# KiCad board ikafly_rev0a_p_cut.kicad_pcb (continued)
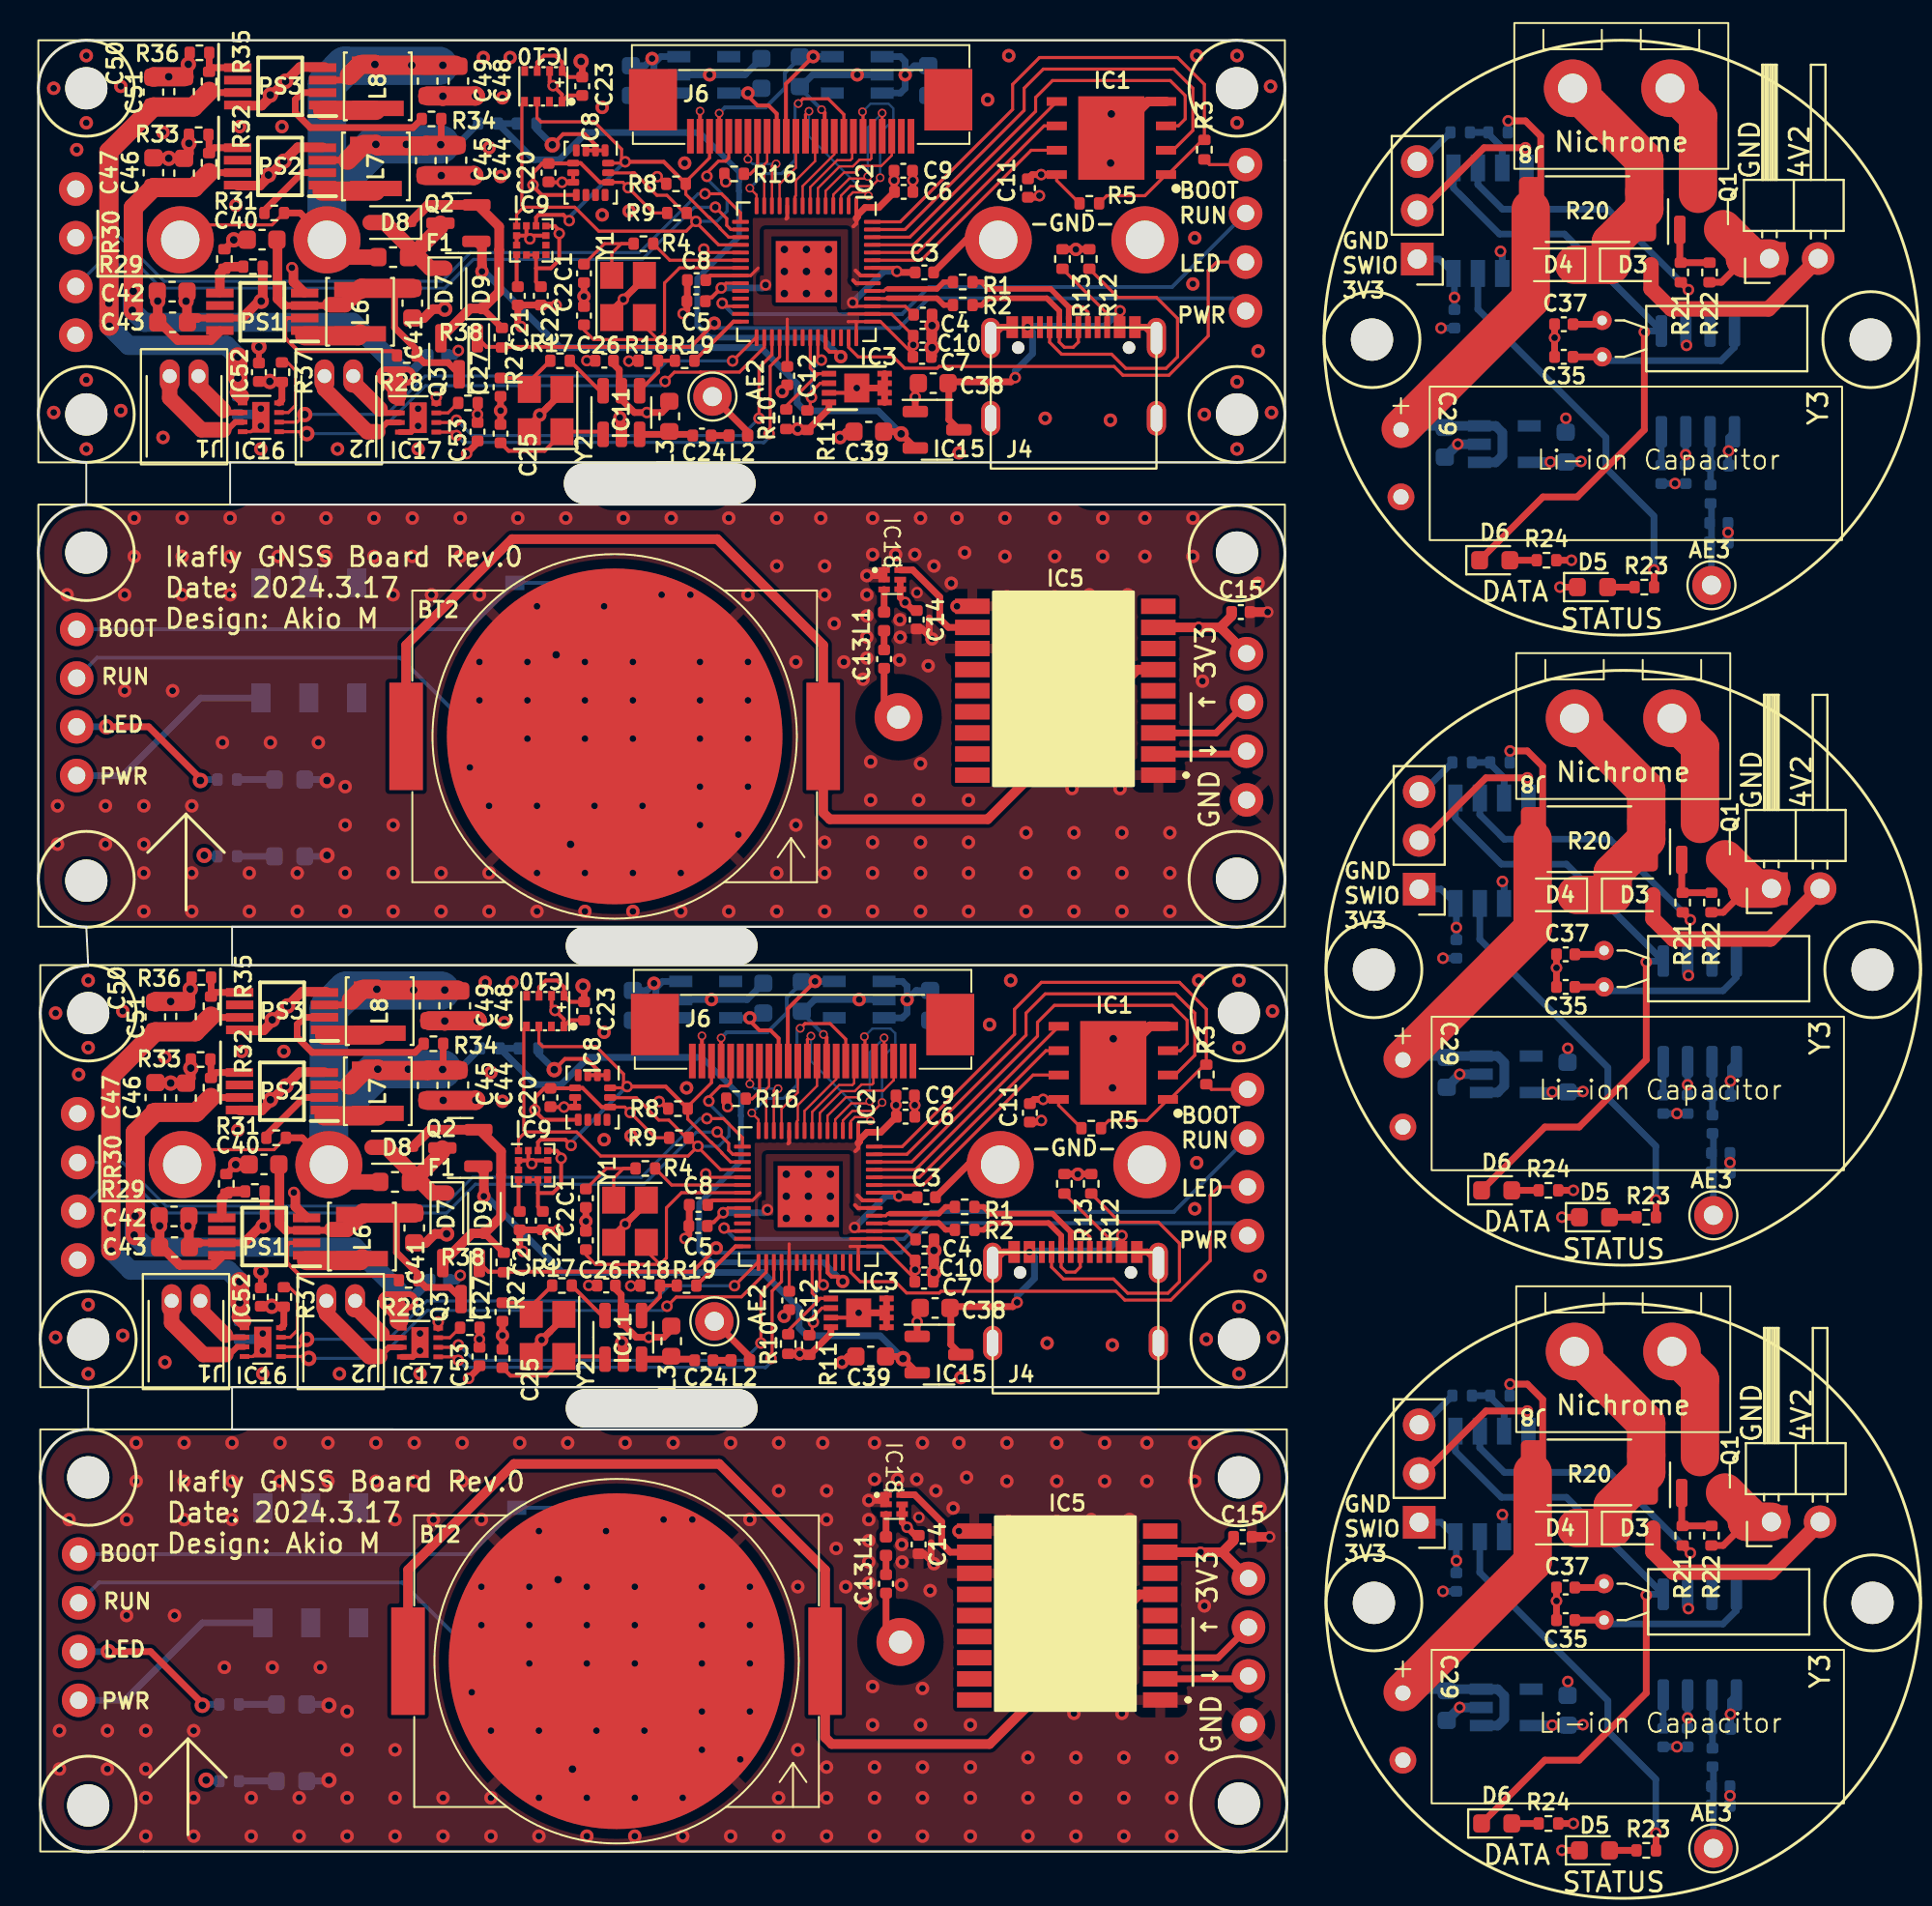
[diagram p0: board, top side]
## Routing (per net, layer and track width the routed paths; a pad name or vN(x,y) marks a point on that pad's centre or on a via; arc(x,y) is an arc through that point) (continued)
/Ikafly_Separation_Board/3V3: length 28
  Top w0.35: R24.1 v3(80.04,1.46) ; R24#2.1 v3(80.04,34.46) ; R24#3.1 v3(79.94,67.3)
  Bottom w0.35: 86,39.45 86,41.15 IC13.3 ; IC13#3.3 85.9,73.99 85.9,72.29 ; C28#2.1 73.94,49.36 IC12.4 73.14,50.16 J9#2.1 ; J9.1 73.04,83 IC12#3.4 73.84,82.2 C28#3.1 ; 86,6.45 86,8.15 IC13#2.3 ; C28.1 73.94,16.36 IC12#2.4 73.14,17.16 J9#3.1
  Bottom w0.5: v3(80.54,6.61) 80.51,6.59 C36#2.1 77.86,6.59 IC14#3.5 ; IC14.5 77.76,72.43 C36.1 80.41,72.43 v3(80.44,72.45) ; IC14#2.5 77.86,39.59 C36#3.1 80.51,39.59 v3(80.54,39.61)
  vias: v3(73.84,81) v3(73.94,48.16) v3(73.94,15.16) v3(78.84,72.43) v3(78.94,39.59) v3(78.94,6.59) v3(85.9,72.8) v3(86,39.96) v3(86,6.96)
/Ikafly_Separation_Board/4V2: length 34.5
  Top w0.8: J7#3.2 92.8,82.99 90.21,80.4 85.14,80.4 84.09,81.45 D3.2 ; J7#2.2 92.91,17.15 90.31,14.56 85.24,14.56 84.19,15.61 D3#2.2 ; D3#3.2 84.19,48.61 85.24,47.56 90.31,47.56 92.91,50.15 J7.2
/VBAT: length 107.9
  Top w0.16: BT1#2.1 8.28,36.58 12.29,36.58 R31.1 ; R31#2.1 12.19,84.78 8.18,84.78 BT1.1
  Top w0.35: R34.1 21.01,88.94 ; PS3#2.3 16.08,92.33 ; 16.14,88.15 PS2.3 ; 16.24,39.95 PS2#2.3 ; R31#2.1 13.65,85.4 BT1.1 ; PS3.3 16.18,44.13 ; R31.1 13.75,37.2 BT1#2.1 ; R34#2.1 21.11,40.74
  Top w0.8: BT1.1 15.95,83.1 F1.1 ; F1#2.1 16.05,34.9 BT1#2.1
  Top w1: 16.32,44.37 16.88,44.93 ; 16.91,93.15 17.55,93.15 ; 17.06,40.78 v2(17.7,40.78) 17.77,40.7 C45#2.1 20.32,40.73 21.9,40.73 ; 16.22,92.57 16.77,93.13 ; 16.96,88.98 v2(17.6,88.98) 17.67,88.9 C45.1 20.22,88.93 C44.1 ; 16.13,88.15 16.83,88.86 ; 17.01,44.95 17.65,44.95 ; 21.85,44.9 17.7,44.9 ; 21.75,93.1 17.6,93.1 ; 16.23,39.95 16.94,40.66
  Top w2: BT1#2.1 15.15,35.29 ; BT1.1 15.05,83.49
  Bottom w0.35: 21.06,40.78 21.95,40.78 R6#2.1 ; R6.1 21.85,88.98 20.96,88.98
  Bottom w2: 21.06,40.78 v2(17.7,40.78) 15.15,38.23 BT1#2.1 15.15,43.94 16.08,44.87 20.98,44.87 ; 20.88,93.07 15.98,93.07 15.05,92.14 BT1.1 15.05,86.43 v2(17.6,88.98) 20.96,88.98
  vias: v2(17.55,93.14) v2(17.65,44.94) v2(19.19,88.98) v2(19.29,40.78) v2(19.47,93.1) v2(19.57,44.9) v2(20.98,88.96) v2(21.09,93.1) v2(21.08,40.76) v2(21.19,44.9)
GND: length 317.7
  Top w0.16: v3(34.8,35.32) 34.98,35.14 IC2#2.19 ; IC16#2.4 11.19,25.8 11.7,26.32 IC16#2.9 ; IC2.19 34.88,83.34 v3(34.7,83.52) ; IC16.9 11.6,74.52 11.08,74 IC16.4
  Top w0.2: v2(26.9,40.75) 27.46,41.31 28.59,41.31 29.15,40.75 IC8.2 ; 25.56,36.02 IC9.2 IC9.3 ; 25.56,36.02 25.72,36.02 ; 25.56,36.02 25.55,36.03 IC9.12 ; 25.72,36.02 IC9.9 ; 25.72,36.02 25.73,36.01 v3(25.73,35.85) ; v4(40.84,90.79) 41,90.63 J6#2.15 ; v4(34.5,90.71) J6#2.2 ; IC3#2.7 42.42,76.03 v3(42.67,76.28) ; 13.4,34.31 13.36,34.31 v3(13.32,34.35) ; 25.62,84.22 IC9#2.9 ; 25.62,84.22 25.46,84.22 ; 25.62,84.22 25.63,84.21 v3(25.63,84.05) ; v4(34.6,42.51) J6.2 ; IC9#2.12 25.45,84.23 25.46,84.22 ; C23#2.2 27.72,43.33 IC10#2.1 27.4,43.38 26.76,44.02 IC10#2.7 ; 25.46,84.22 IC9#2.2 IC9#2.3 ; IC8.3 IC8.1 ; C20#2.1 26.62,87 IC8#2.7 IC8#2.6 ; C20.1 26.72,38.8 IC8.7 IC8.6 ; v3(13.22,82.55) 13.26,82.51 13.3,82.51 ; 28.36,91.53 27.62,91.53 IC10.1 27.3,91.58 26.66,92.22 IC10.7 ; J6.15 41.1,42.43 v4(40.94,42.59) ; IC8#2.3 IC8#2.1 ; IC3.7 42.52,27.83 v3(42.77,28.08) ; v2(26.8,88.95) 27.36,89.51 28.49,89.51 29.05,88.95 IC8#2.2
  Top w0.3: IC17#2.9 19.9,26.16 19.52,25.78 IC17#2.4 ; IC17.4 19.42,73.98 19.8,74.36 IC17.9 ; C52.2 v2(11.6,30.22) ; C52#2.2 v2(11.5,78.42)
  Top w0.35: v1(30.42,26.53) 30.5,26.46 IC11#2.2 ; IC15#2.1 v3(45.72,75.8) 45.72,76.4 45.92,76.6 ; R22.2 87.85,15.95 89.09,17.19 ; C9#2.2 45.58,87.12 v3(45.6,87.1) C6#2.2 ; R22#3.2 87.75,81.79 88.99,83.03 ; v1(26.24,26.67) 26.69,27.11 ; 26.69,27.11 27.4,27.83 Y2.2 ; 26.69,27.11 25.7,26.13 Y2.4 ; C1.1 C2#2.1 ; 30.8,32.9 31.7,33.8 Y1.4 ; 30.8,32.9 30.71,32.81 30.71,32.76 ; 30.8,32.9 30,32.1 Y1.2 ; J4#2.S 57.73,79.45 J4#2.12 ; v3(45.91,17.41) 45.9,17.4 45.9,17.4 ; v3(33.72,31.95) 33.92,32.15 C5#2.2 33.94,32.62 C8.2 ; D5.1 v3(79.44,0.06) ; IC3#2.3 43.88,76.28 v3(42.67,76.28) ; C35#3.2 C37#3.2 ; J4#2.1 50.23,79.45 J4#2.S ; R30#2.2 v2(10.29,35.8) 11.02,35.8 ; IC11.2 30.4,74.66 v1(30.32,74.73) ; 46.02,28.4 45.82,28.2 v3(45.82,27.6) IC15.1 ; Y2#2.2 27.3,76.03 26.59,75.31 ; v3(30.89,29.48) 30.91,29.5 R18#2.2 ; v3(28.7,29.51) 28.71,29.5 C26#2.2 ; 46.45,64.3 46.45,63.35 v1(46.6,63.2) 46.08,63.72 C14.2 ; R13.2 54.09,83.51 v1(54.1,83.5) 54.11,83.51 R12#2.2 ; C35#2.2 C37.2 ; 35.74,87.47 35.74,87.13 v3(35.84,87.02) ; 89.09,50.19 87.85,48.95 R22#2.2 ; v1(48,16.7) IC5#2.10 ; v1(41.91,25.5) 42.21,25.8 C39.2 ; C1#2.1 C2.1 ; v1(38.89,27.89) 39.15,28.16 C12#2.2 ; R18.2 30.81,77.7 v3(30.79,77.68) ; BT1#2.2 48.48,35.8 C3#2.2 ; v3(27.1,32.39) 27.09,32.4 C22.2 C21.1 25.1,31.45 v3(25.27,31.28) ; 45.8,65.6 45.8,65.6 v3(45.81,65.61) ; C8#2.2 33.84,80.82 C5.2 33.82,80.35 v3(33.62,80.15) ; Y1#2.4 31.6,82 30.7,81.1 ; 26.59,75.31 25.6,74.33 Y2#2.4 ; 26.59,75.31 v1(26.14,74.87) ; 30.7,81.1 29.9,80.3 Y1#2.2 ; 30.7,81.1 30.61,81.01 30.61,80.96 ; 46.55,16.1 46.55,15.15 v1(46.7,15) 46.18,15.52 C14#2.2 ; C51#2.2 7.89,92.79 R36.2 ; C11.2 52.22,38.02 v3(52.3,38.1) ; C12.2 39.05,76.36 v1(38.79,76.09) ; IC3.1 IC3.4 ; C53#2.2 22.9,73.43 v3(22.33,72.86) ; 35.84,39.27 35.84,38.93 v3(35.94,38.82) ; C35.2 C37#2.2 ; J4.S 50.33,31.25 J4.1 ; v3(22.43,24.66) 23,25.23 C53.2 ; 10.92,84 v2(10.19,84) R30.2 ; C25.2 C27#2.2 ; R12.2 54.21,35.31 v1(54.2,35.3) 54.19,35.31 R13#2.2 ; R36#2.2 7.99,44.59 C51.2 ; v1(43.2,66.5) 43.81,66.5 IC18.1 44.1,66.33 ; IC3#2.1 IC3#2.4 ; v3(28.6,77.71) 28.61,77.7 C26.2 ; J4.12 57.83,31.25 J4.S ; v3(25.17,79.48) 25,79.65 C21#2.1 C22#2.2 26.99,80.6 v3(27,80.59) ; BT1.2 48.38,84 C3.2 ; IC3.3 43.97,28.08 v3(42.77,28.08) ; D5#3.1 v3(79.34,65.9) ; C11#2.2 52.12,86.22 v3(52.2,86.3) ; C25#2.2 C27.2 ; v1(47.9,64.9) IC5.10 ; C6.2 v3(45.7,38.9) 45.68,38.92 C9.2 ; v1(43.3,18.3) 43.91,18.3 IC18#2.1 44.2,18.13 ; D5#2.1 v3(79.44,33.06) ; C39#2.2 42.11,74 v1(41.8,73.7) ; v2(6.32,32.61) 6.32,32.83 ; v2(6.22,80.81) 6.22,81.03
  Top w0.5: C4#2.2 46.6,77.94 C7#2.2 ; R33.2 7.95,40.3 C46#2.2 v2(6.9,40.05) 6.88,40.08 C47#2.2 ; v2(56.05,42.36) IC1#2.9 57.95,43.01 IC1#2.4 ; 10.49,38.63 11.65,38.63 12.1,39.07 v2(12.1,39.18) 12.18,39.18 v2(12.9,39.9) 13.62,40.63 14.91,40.63 ; 13.72,44.8 v2(12.99,44.07) 12.27,43.35 ; 14.81,88.83 13.52,88.83 v2(12.8,88.1) 12.08,87.38 v2(12,87.38) 12,87.27 11.55,86.83 10.39,86.83 ; 13.62,93 v2(12.89,92.27) 12.17,91.55 ; 9.56,31.05 9.09,30.58 7.37,30.58 6.45,31.5 C43#2.2 6.32,33.08 ; C7.2 46.7,29.74 C4.2 ; 10.58,42.8 11.75,42.8 12.19,43.24 ; C41#2.2 20.2,31.73 20.67,32.19 v2(21.29,32.19) ; 13.4,34.31 13.4,33.61 13.96,33.05 13.99,33.05 ; R33#2.2 7.85,88.5 C46.2 v2(6.8,88.25) 6.77,88.28 C47.2 ; 13.3,82.51 13.3,81.81 13.86,81.25 13.89,81.25 ; v2(55.95,90.56) IC1.9 57.85,91.21 IC1.4 ; v2(21.19,80.39) 20.57,80.39 20.1,79.93 19.5,79.93 ; C15.2 v3(64.1,64.6) ; C15#2.2 v3(64.2,16.4) ; 10.48,91 11.65,91 12.09,91.44 ; 13.74,44.81 15.02,44.81 ; 6.22,81.28 C43.2 6.35,79.7 7.27,78.78 8.99,78.78 9.46,79.25 ; 13.64,93.01 14.92,93.01
  Top w1: C49.2 21.19,43.3 ; 21.19,43.3 21.19,43.29 v2(21.19,43.28) ; 21.19,43.3 22.88,43.3 v2(22.89,43.29) ; 21.09,91.5 21.09,91.49 v2(21.09,91.48) ; 21.09,91.5 22.78,91.5 v2(22.79,91.49) ; 21.09,91.5 C49#2.2 ; v2(22.71,87.36) 22.7,87.35 C45.2 ; C51.2 6.12,44.3 C50.2 ; C45#2.2 22.8,39.15 v2(22.81,39.16) ; C51#2.2 6.02,92.5 C50#2.2
  Top w2: 87.95,18.71 89.09,17.57 89.09,17.19 J7#2.1 ; J7.1 89.09,50.19 89.09,50.57 87.95,51.71 ; J7#3.1 88.99,83.03 88.99,83.41 87.85,84.55
  Bottom w0.2: v4(40.94,42.59) 39.8,43.73 ; v4(40.84,90.79) 39.7,91.93
  Bottom w0.35: IC12.2 76.43,50.47 v3(76.34,50.56) ; 39.7,91.93 40.38,92.6 v1(42.7,92.6) IC6#2.2 ; R26#2.2 72.11,88.08 J9.3 ; C28#3.2 v3(73.14,79.4) ; D2#2.1 15,51.87 v2(15.05,51.92) ; L5.2 88.13,73.69 IC13#3.1 ; L4#2.2 88.21,36.4 C30#2.2 ; 38.05,45.25 C19.2 36.95,44.4 IC7#2.2 ; C30#3.2 88.21,3.4 L4.2 ; D1#2.1 15,55.87 v2(15.05,55.82) ; R26#3.2 72.21,22.24 J9#3.3 ; D2.1 15.1,3.67 v2(15.15,3.72) ; J9#2.3 72.21,55.24 R26.2 ; 39.8,43.73 40.47,44.4 v1(42.8,44.4) IC6.2 ; 26.79,88.94 v2(26.8,88.95) 25.97,89.78 R7#2.2 ; C33#2.2 C32#3.2 ; 79.74,8.14 79.74,8.85 v3(79.75,8.86) ; R7.2 26.07,41.58 v2(26.9,40.75) 26.89,40.74 ; v3(76.24,83.4) 76.33,83.31 IC12#3.2 ; v3(79.65,74.7) 79.64,74.69 79.64,73.98 ; v3(86.04,12.66) 86,12.7 IC13#2.6 ; IC13.6 86,45.7 v3(86.04,45.66) ; S1#2.D1 S1#2.C1 ; C33#3.2 C32.2 ; D1.1 15.1,7.67 v2(15.15,7.62) ; S2#2.C1 S2#2.D1 ; C36#3.2 79.74,41.85 v3(79.75,41.86) ; v3(76.34,17.56) 76.43,17.47 IC12#2.2 ; L5#3.2 88.23,40.85 IC13.1 ; C33.2 C32#2.2 ; IC13#2.1 88.23,7.85 L5#2.2 ; L4#3.2 88.11,69.24 C30.2 ; S1.D1 S1.C1 ; IC7.2 36.85,92.6 C19#2.2 37.95,93.45 ; S2.C1 S2.D1 ; IC13#3.6 85.9,78.54 v3(85.94,78.5) ; C28#2.2 v3(73.24,46.56) ; C28.2 v3(73.24,13.56)
  Bottom w0.5: C34#3.2 v3(74.11,40.51) IC14#2.2 ; C55#2.2 21.67,78 v3(21.9,78.23) ; C34.2 v3(74.11,7.51) IC14#3.2 ; C34#2.2 v3(74.01,73.35) IC14.2 ; C55.2 21.77,29.8 v3(22,30.03) ; v3(11.7,27) 11.4,26.7 C54.2 ; v3(11.6,75.2) 11.3,74.9 C54#2.2
  vias: v1(0.8,91.9) v1(0.8,75) v1(0.9,43.7) v1(0.9,26.8) v1(1,54.5) v1(1,52.5) v1(1.1,6.3) v1(1.1,4.3) v1(1.5,65.5) v1(1.6,17.3) v1(2,88.7) v1(2.1,40.5) v1(2.5,93.6) v1(2.5,90.1) v1(2.5,76.7) v1(2.5,73.1) v1(2.6,45.4) v1(2.6,41.9) v1(2.6,28.5) v1(2.6,24.9) v1(3.5,54.5) v1(3.5,52.5) v1(3.6,6.3) v1(3.6,4.3) v1(4.3,92) v1(4.3,75.1) v1(4.4,43.8) v1(4.4,26.9) v1(4.5,65.5) v1(4.5,60.5) v1(4.6,17.3) v1(4.6,12.3) v1(5,69.5) v1(5,67.5) v1(5.1,21.3) v1(5.1,19.3) v1(5.5,54.5) v1(5.5,52.5) v1(5.5,51) v1(5.5,49) v1(5.6,6.3) v1(5.6,4.3) v1(5.6,2.8) v1(5.6,0.8) v1(6.5,89.6) v1(6.5,73.7) v1(6.6,41.4) v1(6.6,25.5) v1(7,60.5) v1(7.1,12.3) v1(7.5,69.5) v1(7.5,67.5) v1(7.5,65.5) v1(7.6,21.3) v1(7.6,19.3) v1(7.6,17.3) v1(8,54.5) v1(8,51) v1(8,49) v1(8.1,6.3) v1(8.1,2.8) v1(8.1,0.8) v1(9.6,57.8) v1(9.7,9.6) v1(10,69.5) v1(10,67.5) v1(10,65.5) v1(10.1,21.3) v1(10.1,19.3) v1(10.1,17.3) v1(10.3,85.8) v1(10.4,37.6) v1(10.5,89.9) v1(10.6,41.7) v1(11,51) v1(11,49) v1(11.1,2.8) v1(11.1,0.8) v1(11.6,73.1) v1(11.7,24.9) v1(12.1,57.8) v1(12.2,9.6) v1(12.5,69.5) v1(12.5,67.5) v1(12.6,21.3) v1(12.6,19.3) v1(12.7,89.9) v1(12.8,41.7) v1(13.5,51) v1(13.5,49) v1(13.6,2.8) v1(13.6,0.8) v1(14.6,57.8) v1(14.7,9.6) v1(15,69.5) v1(15,67.5) v1(15.1,21.3) v1(15.1,19.3) v1(15.6,73.1) v1(15.7,24.9) v1(16,55.5) v1(16,53.5) v1(16,51) v1(16,49) v1(16.1,7.3) v1(16.1,5.3) v1(16.1,2.8) v1(16.1,0.8) v1(17.5,69.5) v1(17.5,67.5) v1(17.6,21.3) v1(17.6,19.3) v1(18.5,65.5) v1(18.5,53.5) v1(18.5,51) v1(18.5,49) v1(18.6,17.3) v1(18.6,5.3) v1(18.6,2.8) v1(18.6,0.8) v1(19.5,69.5) v1(19.5,67.5) v1(19.6,21.3) v1(19.6,19.3) v1(19.8,73.1) v1(19.9,24.9) v1(20.5,65.5) v1(20.6,17.3) v1(21,51) v1(21,49) v1(21.1,2.8) v1(21.1,0.8) v1(22,69.5) v1(22,67.5) v1(22.1,21.3) v1(22.1,19.3) v1(22.5,56.5) v1(22.6,8.3) v1(23,65.5) v1(23,62) v1(23,60) v1(23.1,17.3) v1(23.1,13.8) v1(23.1,11.8) v1(23.2,93.5) v1(23.3,45.3) v1(23.5,88.8) v1(23.5,54.5) v1(23.5,51) v1(23.5,49) v1(23.6,40.6) v1(23.6,6.3) v1(23.6,2.8) v1(23.6,0.8) v1(24.1,87.3) v1(24.1,75.1) v1(24.2,91.4) v1(24.2,39.1) v1(24.2,26.9) v1(24.3,43.2) v1(24.6,93.5) v1(24.7,45.3) v1(25,69.5) v1(25.1,21.3) v1(25.5,62) v1(25.5,60) v1(25.5,58) v1(25.6,13.8) v1(25.6,11.8) v1(25.6,9.8) v1(26,64.9) v1(26,54.5) v1(26,51) v1(26,49) v1(26.1,16.7) v1(26.1,6.3) v1(26.1,2.8) v1(26.1,0.8) v1(27.5,69.5) v1(27.6,21.3) v1(28.45,81.05) v1(28.5,62) v1(28.5,60) v1(28.5,58) v1(28.5,51) v1(28.5,49) v1(28.55,32.85) v1(28.6,13.8) v1(28.6,11.8) v1(28.6,9.8) v1(28.6,2.8) v1(28.6,0.8) v1(29,54.5) v1(29.1,6.3) v1(29.4,90.9) v1(29.4,85.3) v1(29.5,64.9) v1(29.5,42.7) v1(29.5,37.1) v1(29.6,16.7) v1(30.5,69.5) v1(30.6,21.3) v1(30.8,85.5) v1(30.9,37.3) v1(31,62) v1(31,60) v1(31,58) v1(31,51) v1(31,49) v1(31.1,13.8) v1(31.1,11.8) v1(31.1,9.8) v1(31.1,2.8) v1(31.1,0.8) v1(31.5,54.5) v1(31.6,6.3) v1(32.5,65.5) v1(32.6,17.3) v1(33,69.5) v1(33.1,21.3) v1(33.5,51) v1(33.5,49) v1(33.6,2.8) v1(33.6,0.8) v1(33.7,88) v1(33.8,39.8) v1(34,65.5) v1(34.1,17.3) v1(34.5,62) v1(34.5,60) v1(34.5,58) v1(34.5,55.5) v1(34.5,53.5) v1(34.6,13.8) v1(34.6,11.8) v1(34.6,9.8) v1(34.6,7.3) v1(34.6,5.3) v1(35,92.6) v1(35.1,44.4) v1(36,69.5) v1(36,49) v1(36.1,21.3) v1(36.1,0.8) v1(36.5,53) v1(36.6,4.8) v1(37,65.5) v1(37,62) v1(37,60) v1(37,58) v1(37,55.5) v1(37.1,17.3) v1(37.1,13.8) v1(37.1,11.8) v1(37.1,9.8) v1(37.1,7.3) v1(38.5,69.5) v1(38.5,67) v1(38.5,51) v1(38.5,49) v1(38.6,21.3) v1(38.6,18.8) v1(38.6,2.8) v1(38.6,0.8) v1(39.5,62) v1(39.5,53.5) v1(39.6,13.8) v1(39.6,5.3) v1(40.8,69.5) v1(40.9,21.3) v1(41,67) v1(41,65.5) v1(41,52.6) v1(41,51) v1(41,49) v1(41.1,18.8) v1(41.1,17.3) v1(41.1,4.4) v1(41.1,2.8) v1(41.1,0.8) v1(41.5,64) v1(41.6,15.8) v1(42,62) v1(42.1,13.8) v1(43,61.1) v1(43.1,12.9) v1(43.2,65.5) v1(43.2,64.4) v1(43.2,63.3) v1(43.2,62.2) v1(43.3,17.3) v1(43.3,16.2) v1(43.3,15.1) v1(43.3,14) v1(43.4,56.8) v1(43.4,54.8) v1(43.5,69.5) v1(43.5,67.6) v1(43.5,52.6) v1(43.5,51) v1(43.5,49) v1(43.5,8.6) v1(43.5,6.6) v1(43.6,21.3) v1(43.6,19.4) v1(43.6,4.4) v1(43.6,2.8) v1(43.6,0.8) v1(44.7,67.6) v1(44.8,19.4) v1(44.93,64.2) v1(44.94,63.29) v1(44.9,62.1) v1(45.03,16) v1(45.04,15.09) v1(45,13.9) v1(45.7,67.6) v1(45.8,19.4) v1(45.9,54.8) v1(46,69.5) v1(46,56.7) v1(46,52.6) v1(46,51) v1(46,49) v1(46,6.6) v1(46.1,21.3) v1(46.1,8.5) v1(46.1,4.4) v1(46.1,2.8) v1(46.1,0.8) v1(46.4,61.8) v1(46.5,13.6) v1(46.7,67) v1(46.8,18.8) v1(47.6,66.1) v1(47.7,17.9) v1(47.9,69.5) v1(48,72.9) v1(48,21.3) v1(48.1,24.7) v1(48.3,67.7) v1(48.4,19.5) v1(48.5,54.8) v1(48.5,52.6) v1(48.5,51) v1(48.5,49) v1(48.6,6.6) v1(48.6,4.4) v1(48.6,2.8) v1(48.6,0.8) v1(49.5,91.3) v1(49.6,43.1) v1(50.4,69.5) v1(50.4,67.5) v1(50.5,65.4) v1(50.5,63.4) v1(50.5,61.2) v1(50.5,59.2) v1(50.5,57) v1(50.5,21.3) v1(50.5,19.3) v1(50.6,93.6) v1(50.6,17.2) v1(50.6,15.2) v1(50.6,13) v1(50.6,11) v1(50.6,8.8) v1(50.7,45.4) v1(51.5,53.1) v1(51.5,51) v1(51.5,49) v1(51.6,4.9) v1(51.6,2.8) v1(51.6,0.8) v1(52.5,74.7) v1(52.6,26.5) v1(53,69.5) v1(53,67.5) v1(53,65.4) v1(53,63.4) v1(53,61.2) v1(53,59.2) v1(53.1,21.3) v1(53.1,19.3) v1(53.1,17.2) v1(53.1,15.2) v1(53.1,13) v1(53.1,11) v1(53.9,55.4) v1(54,53.1) v1(54,51) v1(54,49) v1(54,7.2) v1(54.1,4.9) v1(54.1,2.8) v1(54.1,0.8) v1(54.8,65.5) v1(54.8,63.4) v1(54.8,61.2) v1(54.9,17.3) v1(54.9,15.2) v1(54.9,13) v1(55.5,69.5) v1(55.5,67.5) v1(55.6,21.3) v1(55.6,19.3) v1(55.9,74.6) v1(56,26.4) v1(56.4,57.6) v1(56.4,55.4) v1(56.5,53.1) v1(56.5,51) v1(56.5,49) v1(56.5,9.4) v1(56.5,7.2) v1(56.6,59.2) v1(56.6,4.9) v1(56.6,2.8) v1(56.6,0.8) v1(56.7,11) v1(56.8,65.5) v1(56.8,63.4) v1(56.9,17.3) v1(56.9,15.2) v1(57.7,69.5) v1(57.7,67.5) v1(57.8,21.3) v1(57.8,19.3) v1(59,53.1) v1(59,51) v1(59,49) v1(59.1,4.9) v1(59.1,2.8) v1(59.1,0.8) v1(60.2,81.7) v1(60.2,69.5) v1(60.2,67.5) v1(60.3,84.1) v1(60.3,33.5) v1(60.3,21.3) v1(60.3,19.3) v1(60.4,93.6) v1(60.4,35.9) v1(60.5,45.4) v1(60.7,61) v1(60.8,74.9) v1(60.8,12.8) v1(60.9,26.7) v1(62.5,93.6) v1(62.5,90.1) v1(62.5,76.6) v1(62.5,73.1) v1(62.6,45.4) v1(62.6,41.9) v1(62.6,28.4) v1(62.6,24.9) v1(63.6,78.2) v1(63.6,66.1) v1(63.7,30) v1(63.7,17.9) v1(64.25,92) v1(64.3,75) v1(64.35,43.8) v1(64.4,26.8) v2(6.8,92.5) v2(6.9,44.3) v2(7.82,93.15) v2(7.85,89.03) v2(7.92,44.95) v2(7.95,40.83) v2(12.09,91.55) v2(12.19,43.35) v2(21.01,87.35) v2(21.11,39.15) v2(27,62.37) v2(27.1,14.17) v2(27.75,52.5) v2(27.85,4.3) v2(38.9,83.5) v2(38.9,82.35) v2(38.9,81.2) v2(39,35.3) v2(39,34.15) v2(39,33) v2(40.05,83.5) v2(40.05,82.35) v2(40.05,81.2) v2(40.15,35.3) v2(40.15,34.15) v2(40.15,33) v2(41.2,83.5) v2(41.2,82.35) v2(41.2,81.2) v2(41.3,35.3) v2(41.3,34.15) v2(41.3,33) v2(46.6,79.53) v2(46.6,78.38) v2(46.7,31.33) v2(46.7,30.18) v2(55.91,88) v2(56.01,39.8) v3(11.6,74.3) v3(11.7,26.1) v3(19.8,75.2) v3(19.8,74.3) v3(19.9,27) v3(19.9,26.1) v3(26.84,92.04) v3(26.94,43.84) v3(27.31,87) v3(27.41,38.8) v3(30.5,80.9) v3(30.6,32.7) v3(79.06,78.9) v3(79.16,46.06) v3(79.16,13.06) v3(85.34,71.3) v3(85.44,38.46) v3(85.44,5.46) v3(88.13,73) v3(88.11,68.75) v3(88.23,40.16) v3(88.21,35.91) v3(88.23,7.16) v3(88.21,2.91)
/Ikafly_Camera/D2: length 20
  Top w0.12: IC2#2.3 41.95,38.1 42.44,38.6 43.55,38.6 v4(44,39.04) ; v4(43.9,87.24) 43.45,86.8 42.34,86.8 41.85,86.3 IC2.3
  Top w0.16: v4(43.07,42.47) 43.1,42.44 J6.19 ; J6#2.19 43,90.64 v4(42.97,90.67)
  Bottom w0.12: v4(44,39.04) 44,41.37 44.68,42.06 44.68,42.65 44.44,42.89 43.49,42.89 v4(43.07,42.47) ; v4(42.97,90.67) 43.39,91.09 44.33,91.09 44.58,90.85 44.58,90.26 43.9,89.57 v4(43.9,87.24)
/Ikafly_Camera/D3: length 15.2
  Top w0.12: v4(43.25,87.3) 43.14,87.19 42.28,87.19 41.45,86.36 IC2.4 ; v4(43.35,39.1) 43.24,38.99 42.38,38.99 41.55,38.16 IC2#2.4
  Top w0.16: v4(44,90.61) J6#2.21 ; v4(44.1,42.41) J6.21
  Bottom w0.12: v4(44,90.61) 43.25,89.86 v4(43.25,87.3) ; v4(44.1,42.41) 43.35,41.66 v4(43.35,39.1)
/Ikafly_Camera/D4: length 12
  Top w0.12: J6#2.22 44.5,88.4 43.96,87.86 42.96,87.86 42.61,87.51 42.01,87.51 41.05,86.55 IC2.5 ; J6.22 44.6,40.2 44.06,39.66 43.06,39.66 42.71,39.31 42.11,39.31 41.15,38.35 IC2#2.5
/Ikafly_Camera/D5: length 11.1
  Top w0.12: J6#2.20 43.44,89.34 43.44,88.24 43.37,88.18 42.82,88.18 42.82,88.17 42.48,87.83 41.79,87.83 40.65,86.69 IC2.6 ; IC2#2.6 40.75,38.49 41.89,39.63 42.58,39.63 42.92,39.97 42.92,39.98 43.47,39.98 43.53,40.04 43.53,41.14 J6.20
/Ikafly_Camera/D6: length 9.9
  Top w0.12: J6#2.18 42.44,89.34 42.44,88.24 42.34,88.15 41.65,88.15 40.25,86.75 IC2.7 ; J6.18 42.53,41.14 42.53,40.04 42.44,39.95 41.75,39.95 40.35,38.55 IC2#2.7
/Ikafly_Camera/D7: length 8.6
  Top w0.12: J6#2.16 41.5,88.45 39.85,86.8 IC2.8 ; IC2#2.8 39.95,38.6 41.6,40.25 J6.16
/Ikafly_Camera/D8: length 8.1
  Top w0.12: J6.14 40.6,39.9 39.6,38.9 39.6,38.1 39.55,38.05 IC2#2.9 ; IC2.9 39.45,86.25 39.5,86.3 39.5,87.1 40.5,88.1 J6#2.14
/Ikafly_Camera/D9: length 8
  Top w0.12: IC2.11 38.65,86.91 39.5,87.76 J6#2.12 ; IC2#2.11 38.75,38.71 39.6,39.56 J6.12
/Ikafly_Camera/EXCLK: length 17.5
  Top w0.12: IC2#2.2 42.35,38.05 42.57,38.28 43.2,38.28 v4(43.39,38.09) ; v4(43.29,86.29) 43.1,86.48 42.47,86.48 42.25,86.25 IC2.2
  Top w0.16: v4(40.28,42.5) 40.1,42.32 J6.13 ; v4(40.18,90.7) 40,90.52 J6#2.13
  Bottom w0.12: v4(43.29,86.29) 40.18,89.39 v4(40.18,90.7) ; v4(43.39,38.09) 40.28,41.19 v4(40.28,42.5)
/Ikafly_Camera/HREF: length 7.4
  Top w0.12: IC2.13 37.85,87.93 38,88.08 J6#2.9 ; J6.9 38.1,39.88 37.95,39.73 IC2#2.13
/Ikafly_Camera/PCLK: length 22.2
  Top w0.12: v4(37.1,86.69) 37.45,86.34 IC2.14 ; v4(37.2,38.49) 37.55,38.14 IC2#2.14
  Top w0.16: J6#2.17 42,90.54 41.19,91.35 39.87,91.35 v4(39.63,91.1) ; v4(39.73,42.9) 39.97,43.15 41.28,43.15 42.1,42.34 J6.17
  Bottom w0.12: v4(39.73,42.9) 39.55,42.9 ; v4(39.63,91.1) 39.45,91.1
  Bottom w0.16: v4(37.2,38.49) 37.96,39.25 38.85,39.25 39.55,39.95 39.55,42.9 ; 39.45,91.1 39.45,88.15 38.75,87.45 37.86,87.45 v4(37.1,86.69)
/Ikafly_Camera/SCL: length 63.6
  Top w0.16: v3(34.86,87.31) 34.86,87.5 35.46,88.1 35.83,88.1 36,88.27 J6#2.5 ; 25.4,37.5 28.07,37.5 29.32,36.25 33.88,36.25 v3(34.39,36.76) ; 25.4,37.5 25.04,37.14 IC9.1 ; 25.4,37.5 25.31,37.59 25.31,42.86 IC10#2.4 ; v3(34.29,84.96) 33.78,84.45 29.22,84.45 27.97,85.7 25.3,85.7 ; IC8.13 29.82,39.29 31.09,39.29 31.09,39.29 31.18,39.29 32.35,38.12 32.88,38.12 33.8,37.2 R9.2 35.57,35.54 IC2#2.18 ; IC10.4 25.21,91.06 25.21,85.79 25.3,85.7 ; 25.3,85.7 24.94,85.34 IC9#2.1 ; IC2.18 35.47,83.74 R9#2.2 33.7,85.4 32.78,86.32 32.25,86.32 31.08,87.49 30.99,87.49 30.99,87.49 29.72,87.49 IC8#2.13 ; v3(34.96,39.11) 34.96,39.3 35.56,39.9 35.94,39.9 36.1,40.07 J6.5
  Bottom w0.16: v3(34.29,84.96) 35.38,84.96 35.91,85.49 35.91,86.14 34.86,87.18 v3(34.86,87.31) ; v3(34.39,36.76) 35.48,36.76 36.01,37.29 36.01,37.94 34.96,38.98 v3(34.96,39.11)
/Ikafly_Camera/SDA: length 50.4
  Top w0.16: 30.41,88 30.41,88.73 28.98,90.15 26.2,90.15 26,90.35 IC10.3 ; 30.41,88 30.53,88 v3(30.6,88.07) ; 30.41,88 IC8#2.14 ; 30.51,39.8 30.63,39.8 v3(30.7,39.87) ; 30.51,39.8 IC8.14 ; 30.51,39.8 30.51,40.53 29.08,41.95 26.3,41.95 26.1,42.15 IC10#2.3 ; J6#2.3 35,88.27 33.76,87.03 R8#2.2 33.76,86.38 34.97,85.16 35,85.16 35.53,84.63 35.53,84.6 36,84.14 IC2.17 ; IC2#2.17 36.1,35.94 35.63,36.4 35.63,36.43 35.1,36.96 35.07,36.96 33.86,38.18 R8.2 33.86,38.83 35.1,40.07 J6.3
  Top w0.2: IC9.11 26.05,36.97 26.18,37.1 27.48,37.1 v3(27.78,36.8) ; v3(30.6,88.07) 32.61,88.07 R8#2.2 ; v3(27.68,85) 27.38,85.3 26.08,85.3 25.95,85.17 IC9#2.11 ; v3(30.7,39.87) 32.71,39.87 R8.2
  Bottom w0.2: v3(30.6,88.07) 30.58,88.07 27.68,85.17 v3(27.68,85) ; v3(27.78,36.8) 27.78,36.97 30.68,39.87 v3(30.7,39.87)
/Ikafly_Camera/VSYNC: length 10
  Top w0.12: 37,88.31 J6#2.7 ; v4(38.47,87.96) 38.36,87.96 38.25,87.85 IC2.12 ; v4(38.57,39.76) 38.46,39.76 38.35,39.65 IC2#2.12 ; 37.1,40.11 J6.7
  Bottom w0.12: v4(37,88.2) 37.25,87.96 v4(38.47,87.96) ; v4(38.57,39.76) 37.35,39.76 v4(37.1,40)
/Ikafly_GNSS/BOOT: length 64.2